# Altium PCB OSA_V100.PcbDoc (part 3 of 5) (continued)
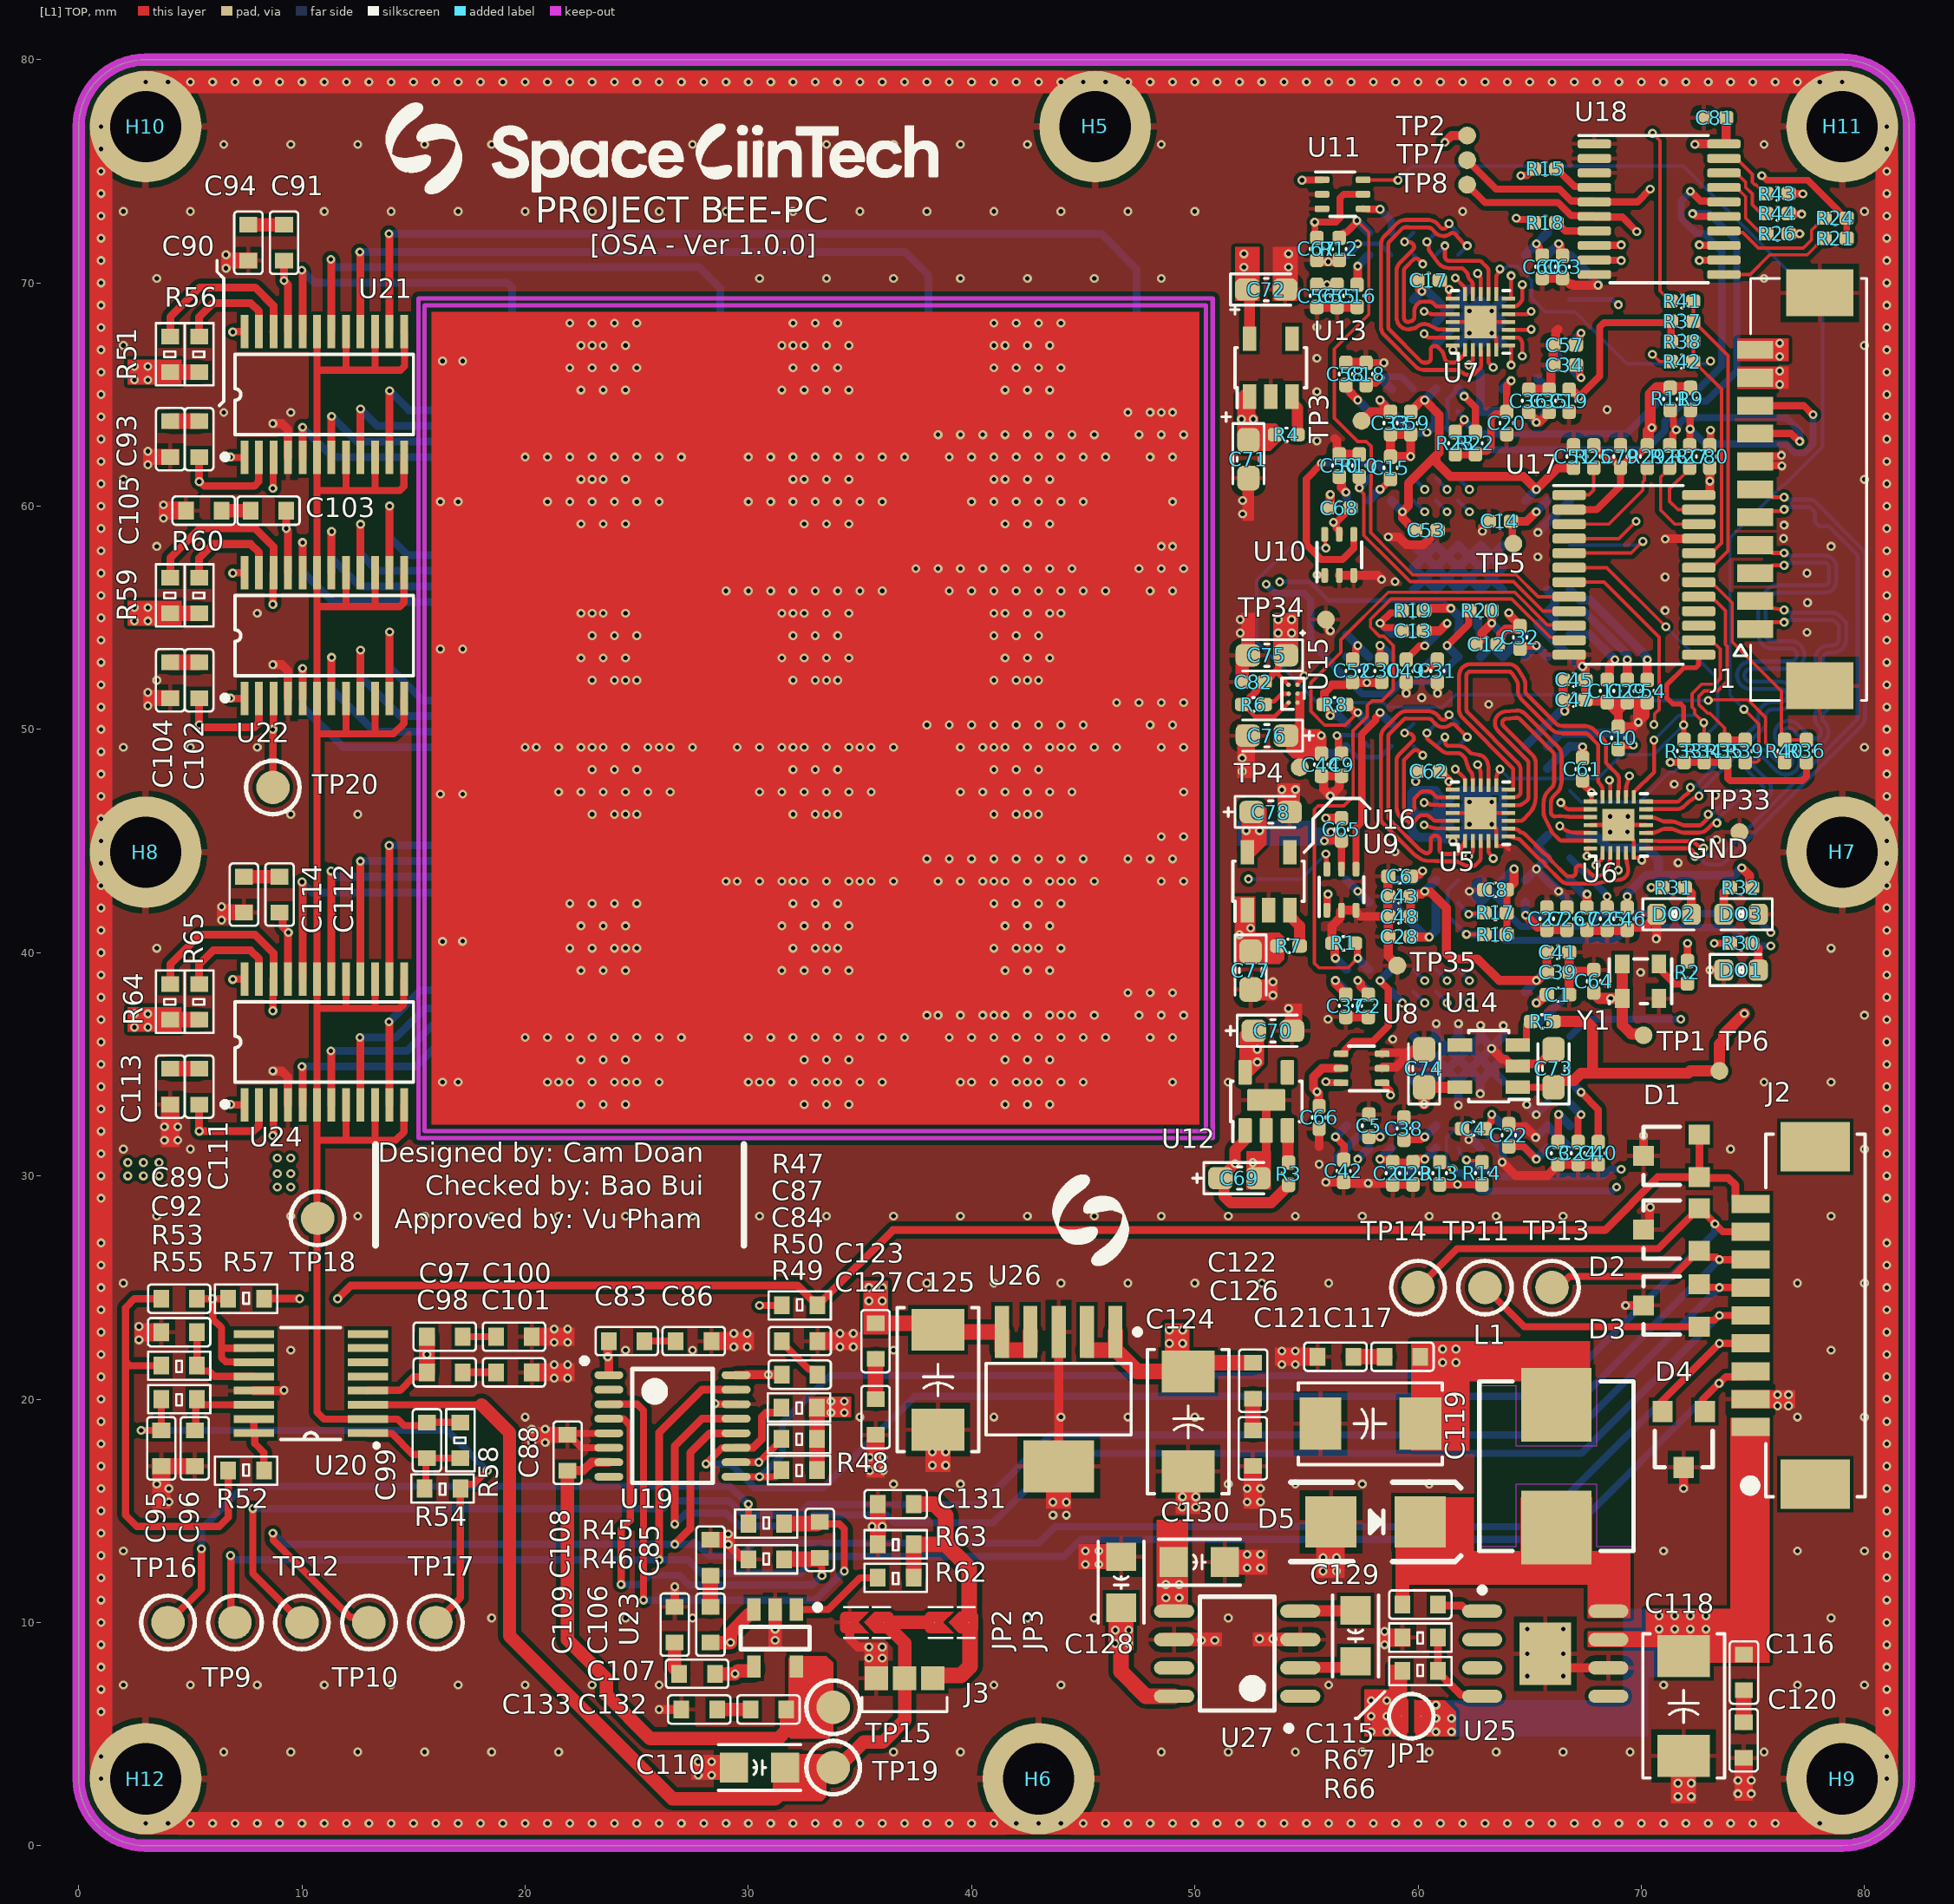
[diagram p0: [L1] TOP view]
## Nets (pads, with @x,y where several pads share a name; then routed paths per layer and width w, separated by ;. In a path a pad name is that pad's centre, name@x,y a point inside that pad or via, vN(x,y) a via of type N, cw(c..) or ccw(c..) an arc to the next point about the centre after c; other vN are vias at no path point) (continued)
I2C_SW_SCL: R44.1 U18.18 | length 3.2
  [L1] TOP w0.15: U18.18@73.7,74.925 74.26,74.925 74.675,74.51 74.675,74.284 74.975,73.984 74.975,73.5 75.575,72.9 R44.1@75.6,72.9
I2C_SW_SDA: R43.1 U18.19 | length 2.8
  [L1] TOP w0.15: U18.19@73.7,75.575 74.26,75.575 74.975,74.86 74.975,74.5 75.084,74.391 75.144,74.391 75.6,73.934 R43.1@75.6,73.9
IO_SW_SCL: R28.1 U17.22 | length 4
  [L1] TOP w0.15: R28.1@71.27,61.695 70.87,61.295 70.87,59.82 71.495,59.195 U17.22@72.57,59.195
IO_SW_SDA: R27.1 U17.23 | length 3.3
  [L1] TOP w0.15: R27.1@72.17,61.695 72.17,61.67 71.27,60.77 71.27,60.22 71.645,59.845 U17.23@72.57,59.845
MISO_PD: D3.1 J2.5 TP11.1 U19.13 | length 71
  [L1] TOP w0.32: TP11.1@63,25 64.75,23.25 D3.1@72.6,23.25 ; D3.1@72.625,23.25 72.915,23.54 73.268,23.54 73.478,23.75 J2.5@74.895,23.75
  [L1] TOP w0.35: v1(26.7,14.4) 26.7,17.9 27.925,19.125 U19.13@29.45,19.125
  [L6] BOTTOM w0.32: v1(26.7,14.4) 27.2,14.9 29.014,14.9 29.594,14.32 32.429,14.32 32.919,14.81 36.211,14.81 36.554,14.467 40.967,14.467 44.075,17.575 67.325,17.575 v1(73.5,23.75)
MOSI_PD: D4.3 J2.4 TP10.1 U19.12 U24.3 | length 107.1
  [L1] TOP w0.32: v1(8.7,14) 8.711,13.989 8.711,13.689 12.174,10.226 12.774,10.226 TP10.1@13,10 ; v1@8.725,31.8 U24.3@8.725,33.181 ; D4.3@70.95,19.45 70.85,19.55 70.85,19.85 v1(73.5,22.5) J2.4@74.895,22.5
  [L1] TOP w0.35: v1(26.7,13.5) 27.4,14.2 27.4,17.6 28.275,18.475 U19.12@29.45,18.475
  [L3] SIGNAL w0.32: v1(8.7,14) 8.31,14.39 8.31,31.41 v1(8.7,31.8)
  [L6] BOTTOM w0.32: v1@8.715,13.985 9.2,13.5 v1(26.7,13.5) 27.725,13.5 28.235,12.99 29.676,12.99 30.236,13.55 43,13.55 43.74,14.29 65.29,14.29 73.474,22.474 v1@73.496,22.474
NetC83_1: C83.1 C86.2 | length 1.4
  [L1] TOP w0.32: C83.1@25.35,22.6 C86.2@26.75,22.6
NetC84_1: C84.1 C87.2 | length 2.3
  [L1] TOP w0.32: C87.2@31.5,22.6 31.5,22.55 32.71,21.34 32.91,21.34 33.1,21.15 C84.1@33.1,21.1
NetC85_1: C85.1 R46.1 U19.4 | length 20.4
  [L1] TOP w0.32: U19.4@23.75,19.125 23.756,19.119 24.403,19.119 24.71,18.813 24.71,14.575 24.3,14.165 v1(24.3,11.7) ; C85.1@33.2,12.9 33.285,12.815 33.285,12.115 v1(33.3,12.1)
  [L1] TOP w0.7: R46.1@31.6,12.825 33.075,12.825 33.15,12.9 C85.1@33.2,12.9
  [L6] BOTTOM w0.32: v1(24.3,11.7) 25.162,11.7 25.572,12.11 26.911,12.11 27.346,11.675 32.853,11.675 33.278,12.1 v1(33.3,12.1)
NetC85_2: C85.2 R45.1 U19.3 | length 24.5
  [L1] TOP w0.32: U19.3@23.75,19.775 25.025,19.775 25.3,19.5 v1(25.3,11) ; C85.2@33.2,14.5 33.285,14.415 34.085,14.415 34.3,14.2 v1(34.3,12.3)
  [L1] TOP w0.7: R45.1@31.6,14.425 33.075,14.425 33.15,14.5 C85.2@33.2,14.5
  [L6] BOTTOM w0.32: v1(25.3,11) 33,11 v1(34.3,12.3)
NetC89_2: C89.2 R52.2 R53.1 | length 19.8
  [L1] TOP w0.32: R53.1@3.7,21.5 2.287,21.5 2.1,21.687 ; C89.2@3.7,24.5 2.5,24.5 2.1,24.1 2.1,21.687 ; R52.2@6.7,16.8 6.7,14.7 6.3,14.3 2.6,14.3 2.1,14.8 2.1,21.687
NetC90_1: C90.1 C93.2 | length 2.6
  [L1] TOP w0.32: C93.2@4.1,63.8 C90.1@5.4,63.8
  [L1] TOP w0.7: C93.2@4.1,63.8 C90.1@5.4,63.8
NetC91_1: C91.1 C94.2 | length 1.6
  [L1] TOP w0.6: C94.2@7.6,72.6 C91.1@9.2,72.6
NetC92_2: C92.2 R53.2 U20.12 | length 4.3
  [L1] TOP w0.32: C92.2@5.3,23 R53.2@5.3,21.5 5.3,21.45 5.49,21.26 5.84,21.26 6.083,21.017 U20.12@7.847,21.017
NetC95_2: C95.2 R54.2 R55.1 TP17.1 | length 26.5
  [L1] TOP w0.32: v1(2.8,18.6) C95.2@3.7,18.6 R55.1@3.7,20 ; TP17.1@16,10 17.1,11.1 R54.2@17.1,16 ; R54.2@17.1,16.004 17.29,16.194 17.694,16.194 v1(18.3,16.8)
  [L6] BOTTOM w0.32: v1(2.8,18.6) 16.5,18.6 v1(18.3,16.8)
NetC96_2: C96.2 R55.2 U20.14 | length 4.1
  [L1] TOP w0.32: C96.2@5.2,18.6 5.25,18.65 5.25,19.95 R55.2@5.3,20 5.3,19.95 5.49,19.76 5.665,19.76 5.677,19.747 U20.14@7.847,19.747
NetC97_1: C97.1 C100.2 | length 1.5
  [L1] TOP w0.32: C97.1@17.2,22.8 C100.2@18.7,22.8
NetC98_1: C98.1 C101.2 | length 1.5
  [L1] TOP w0.35: C98.1@17.2,21.2 C101.2@18.7,21.2
NetC99_2: C99.2 R54.1 R58.2 U20.1 | length 6
  [L1] TOP w0.32: U20.1@12.953,18.477 12.968,18.462 14.038,18.462 14.977,17.523 15.434,17.523 C99.2@15.6,17.357 ; R54.1@15.5,16 15.55,16.05 15.55,17.307 C99.2@15.6,17.357 ; R58.2@17.1,17.357 C99.2@15.6,17.357
NetC102_1: C102.1 C104.2 | length 2.6
  [L1] TOP w0.32: C104.2@4.1,53 C102.1@5.4,53
  [L1] TOP w0.7: C104.2@4.1,53 C102.1@5.4,53
NetC103_1: C103.1 C105.2 | length 1.3
  [L1] TOP w0.6: C105.2@6.4,59.8 C103.1@7.7,59.8
NetC106_1: C106.1 C108.2 | length 1.4
  [L1] TOP w0.7: C106.1@28.3,10.7 C108.2@28.3,12.1
NetC107_1: C107.1 C109.2 | length 1.5
  [L1] TOP w0.6: C109.2@26.7,9.1 26.7,7.95 26.9,7.75 C107.1@26.9,7.7
NetC111_1: C111.1 C113.2 | length 2.6
  [L1] TOP w0.32: C113.2@4.1,34.8 C111.1@5.4,34.8
  [L1] TOP w0.7: C113.2@4.1,34.8 C111.1@5.4,34.8
NetC112_1: C112.1 C114.2 | length 1.6
  [L1] TOP w0.6: C114.2@7.4,43.4 7.872,43.4 C112.1@9,43.4
NetC115_1: C115.1 D5.2 L1.1 U25.8
NetC115_2: C115.2 U25.1 | length 2.1
  [L1] TOP w0.35: C115.2@60.9,10.8 60.95,10.75 61.962,10.75 62.207,10.505 U25.1@62.875,10.505
NetC116_1: C116.1 C120.2 | length 1.4
  [L1] TOP w0.7: C120.2@74.587,5.528 C116.1@74.587,6.945
NetC117_1: C117.1 C121.2 | length 1.4
  [L1] TOP w0.7: C121.2@57.1,21.9 C117.1@58.5,21.9
NetC122_1: C122.1 C126.2 | length 1.4
  [L1] TOP w0.7: C126.2@52.6,18.6 52.6,20.028 C122.1@52.614,20.028
NetC123_1: C123.1 C127.2 | length 1.8
  [L1] TOP w0.7: C127.2@35.7,20 C123.1@35.7,21.8
NetC129_1: C129.1 U27.2 | length 2.6
  [L1] TOP w0.5: U27.2@54.725,7.965 54.744,7.984 56.927,7.984 C129.1@57.2,8.257
NetC129_2: C129.2 U27.4 | length 2.5
  [L1] TOP w0.5: U27.4@54.725,10.505 54.744,10.524 57.181,10.524 C129.2@57.2,10.543
NetC131_2: C131.2 J3.3 JP3.1 R62.2 R63.2 | length 13.7
  [L1] TOP w0.7: R62.2@37.4,12 37.4,13.45 R63.2@37.4,13.5 38.85,13.5 ; C131.2@37.4,15.3 38.34,15.3 38.85,14.79 38.85,13.5 ; J3.3@38.27,7.5 38.39,7.62 39.528,7.62 39.938,8.03 39.938,10.063 ; 39.9,10.025 39.9,12.45 38.85,13.5
NetC132_1: C132.1 C133.2 | length 1.5
  [L1] TOP w0.6: C133.2@28.6,6.1 C132.1@30.1,6.1
NetDO1_2: DO1.2 R30.2 | length 1.3
  [L1] TOP w0.4: R30.2@74.995,40.42 75.02,40.42 75.12,40.32 75.12,40.295 75.245,40.17 DO1.2@75.245,39.22
NetDO2_2: DO2.2 R31.2 | length 1.3
  [L1] TOP w0.4: R31.2@71.97,42.92 71.995,42.92 72.245,42.67 DO2.2@72.245,41.72
NetDO3_2: DO3.2 R32.2 | length 1.3
  [L1] TOP w0.4: DO3.2@73.695,41.72 73.695,42.695 73.92,42.92 R32.2@73.945,42.92
NetPD1_2: PD1.2 U24.11 | length 45
  [L1] TOP w0.35: v1(13.9,36.9) 13.9,36.886 13.925,36.861 U24.11@13.925,33.181
  [L6] BOTTOM w0.35: v1(13.9,36.9) 15.325,38.325 45.375,38.325 47.4,36.3 PD1.2@47.4,34
  [L6] BOTTOM w0.4: PD1.2@47.69,34.9 PD1.2@47.79,35
  [L6] BOTTOM w0.5: PD1.2@47.49,33 PD1.2@49.61,33 ; PD1.2@47.79,35 PD1.2@49.61,35
NetPD2_2: PD2.2 U24.14 | length 46.8
  [L1] TOP w0.35: v1(13.908,44.8) 13.908,44.786 13.925,44.769 U24.14@13.925,38.819
  [L6] BOTTOM w0.35: v1(13.908,44.8) 45.4,44.8 47.4,42.8 PD2.2@47.4,40.5
  [L6] BOTTOM w0.4: PD2.2@47.69,41.4 47.79,41.5 PD2.2@47.69,41.4
  [L6] BOTTOM w0.5: PD2.2@47.49,39.5 PD2.2@49.61,39.5 ; PD2.2@47.79,41.5 PD2.2@49.61,41.5
NetPD3_2: PD3.2 U22.11 | length 45.9
  [L1] TOP w0.35: U22.11@13.925,51.381 13.925,54.361 v1(13.932,54.368)
  [L6] BOTTOM w0.35: v1(13.932,54.368) 13.932,52.774 15.406,51.3 16.051,51.3 45.4,51.3 47.4,49.3 PD3.2@47.4,47
  [L6] BOTTOM w0.4: PD3.2@47.69,47.9 PD3.2@47.79,48
  [L6] BOTTOM w0.5: PD3.2@47.49,46 PD3.2@49.61,46 ; PD3.2@47.79,48 PD3.2@49.61,48
NetPD4_2: PD4.2 U22.14 | length 45.4
  [L1] TOP w0.35: U22.14@13.925,57.019 13.925,60 v1(13.932,60.007)
  [L6] BOTTOM w0.35: v1(13.932,60.007) 13.932,58.618 14.75,57.8 45.4,57.8 47.4,55.8 PD4.2@47.4,53.5
  [L6] BOTTOM w0.4: PD4.2@47.69,54.4 PD4.2@47.79,54.5
  [L6] BOTTOM w0.5: PD4.2@47.49,52.5 PD4.2@49.61,52.5 ; PD4.2@47.79,54.5 PD4.2@49.61,54.5
NetPD5_2: PD5.2 U21.11 | length 44
  [L1] TOP w0.35: U21.11@13.925,62.181 13.925,65.161 v1(13.932,65.168)
  [L6] BOTTOM w0.35: v1(13.932,65.168) 14.8,64.3 45.4,64.3 47.4,62.3 PD5.2@47.4,60
  [L6] BOTTOM w0.4: PD5.2@47.69,60.9 PD5.2@47.79,61
  [L6] BOTTOM w0.5: PD5.2@47.49,59 PD5.2@49.61,59 ; PD5.2@47.79,61 PD5.2@49.61,61
NetPD6_2: PD6.2 U21.14 | length 46.7
  [L1] TOP w0.35: v1(13.9,72.2) 13.9,72.186 13.925,72.161 U21.14@13.925,67.819
  [L6] BOTTOM w0.35: v1(13.9,72.2) 45.8,72.2 47.4,70.6 PD6.2@47.4,66.5
  [L6] BOTTOM w0.4: PD6.2@47.69,67.4 PD6.2@47.79,67.5
  [L6] BOTTOM w0.5: PD6.2@47.49,65.5 PD6.2@49.61,65.5 ; PD6.2@47.79,67.5 PD6.2@49.61,67.5
NetPD7_2: PD7.2 U24.9 | length 35.8
  [L1] TOP w0.35: v1(12.6,36.2) 12.6,36.186 12.625,36.161 U24.9@12.625,33.181
  [L6] BOTTOM w0.35: v1(12.6,36.2) 14.2,36.2 15.5,37.5 36.644,37.5 38.07,36.074 PD7.2@38.07,34
  [L6] BOTTOM w0.4: PD7.2@38.36,34.9 PD7.2@38.46,35
  [L6] BOTTOM w0.5: PD7.2@38.16,33 PD7.2@40.28,33 ; PD7.2@38.46,35 PD7.2@40.28,35
NetPD8_2: PD8.2 U24.16 | length 37.5
  [L1] TOP w0.35: v1(12.619,44.095) 12.625,44.089 U24.16@12.625,38.819
  [L6] BOTTOM w0.35: v1(12.619,44.095) 12.624,44.1 36.544,44.1 38.07,42.574 PD8.2@38.07,40.5
  [L6] BOTTOM w0.4: PD8.2@38.36,41.4 PD8.2@38.46,41.5
  [L6] BOTTOM w0.5: PD8.2@38.16,39.5 PD8.2@40.28,39.5 ; PD8.2@38.46,41.5 PD8.2@40.28,41.5
NetPD9_2: PD9.2 U22.9 | length 36.3
  [L1] TOP w0.35: U22.9@12.625,51.381 v1@12.625,53.549
  [L6] BOTTOM w0.35: 12.625,52.824 12.625,52.375 14.4,50.6 36.544,50.6 38.07,49.074 PD9.2@38.07,47 ; 12.626,52.825 v1(12.626,53.55)
  [L6] BOTTOM w0.4: PD9.2@38.36,47.9 PD9.2@38.46,48
  [L6] BOTTOM w0.5: PD9.2@38.16,46 PD9.2@40.28,46 ; PD9.2@38.46,48 PD9.2@40.28,48
NetPD10_2: PD10.2 U22.16 | length 36
  [L1] TOP w0.35: U22.16@12.625,57.019 v1@12.625,59.188
  [L6] BOTTOM w0.35: v1(12.626,59.188) 12.626,57.867 13.393,57.1 36.544,57.1 38.07,55.574 PD10.2@38.07,53.5
  [L6] BOTTOM w0.4: PD10.2@38.36,54.4 PD10.2@38.46,54.5
  [L6] BOTTOM w0.5: PD10.2@38.16,52.5 PD10.2@40.28,52.5 ; PD10.2@38.46,54.5 PD10.2@40.28,54.5
NetPD11_2: PD11.2 U21.9 | length 34.6
  [L1] TOP w0.35: U21.9@12.625,62.181 v1@12.625,64.349
  [L6] BOTTOM w0.35: v1(12.626,64.35) 13.375,63.6 36.544,63.6 38.07,62.074 PD11.2@38.07,60
  [L6] BOTTOM w0.5: PD11.2@38.16,59 PD11.2@40.28,59 ; PD11.2@38.46,61 PD11.2@40.28,61
NetPD12_2: PD12.2 U21.16 | length 37.4
  [L1] TOP w0.35: v1(12.594,71.382) 12.594,71.368 12.625,71.337 U21.16@12.625,67.819
  [L6] BOTTOM w0.35: v1(12.594,71.382) 37.018,71.382 38.07,70.33 PD12.2@38.07,66.5
  [L6] BOTTOM w0.4: PD12.2@38.36,67.4 PD12.2@38.46,67.5
  [L6] BOTTOM w0.5: PD12.2@38.16,65.5 PD12.2@40.28,65.5 ; PD12.2@38.46,67.5 PD12.2@40.28,67.5
NetPD13_2: PD13.2 U24.7 | length 26.8
  [L1] TOP w0.35: v1(11.3,35.6) 11.3,35.586 11.325,35.561 U24.7@11.325,33.181
  [L6] BOTTOM w0.35: v1(11.3,35.6) 14.7,35.6 15.875,36.775 28.039,36.775 28.74,36.074 PD13.2@28.74,34
  [L6] BOTTOM w0.4: PD13.2@29.03,34.9 PD13.2@29.13,35
  [L6] BOTTOM w0.5: PD13.2@28.83,33 PD13.2@30.95,33 ; PD13.2@29.13,35 PD13.2@30.95,35
NetPD14_2: PD14.2 U24.18 | length 28.9
  [L1] TOP w0.35: v1(11.306,43.656) 11.306,43.643 11.325,43.624 U24.18@11.325,38.819
  [L6] BOTTOM w0.35: v1@11.316,43.647 11.563,43.4 27.914,43.4 28.74,42.574 PD14.2@28.74,40.5
  [L6] BOTTOM w0.4: PD14.2@29.03,41.4 PD14.2@29.13,41.5
  [L6] BOTTOM w0.5: PD14.2@28.83,39.5 PD14.2@30.95,39.5 ; PD14.2@29.13,41.5 PD14.2@30.95,41.5
NetPD15_2: PD15.2 U22.7 | length 28
  [L1] TOP w0.35: U22.7@11.325,51.381 11.325,53.219 v1(11.33,53.224)
  [L6] BOTTOM w0.35: v1(11.33,53.224) 11.33,51.81 13.24,49.9 27.914,49.9 28.74,49.074 PD15.2@28.74,47
  [L6] BOTTOM w0.4: PD15.2@29.03,47.9 PD15.2@29.13,48
  [L6] BOTTOM w0.5: PD15.2@28.83,46 PD15.2@30.95,46 ; PD15.2@29.13,48 PD15.2@30.95,48
NetPD16_2: PD16.2 U22.18 | length 27.5
  [L1] TOP w0.35: U22.18@11.325,57.019 11.325,58.858 v1(11.33,58.863)
  [L6] BOTTOM w0.35: v1(11.33,58.863) 11.33,57.686 12.616,56.4 27.914,56.4 28.74,55.574 PD16.2@28.74,53.5
  [L6] BOTTOM w0.4: PD16.2@29.03,54.4 PD16.2@29.13,54.5
  [L6] BOTTOM w0.5: PD16.2@28.83,52.5 PD16.2@30.95,52.5 ; PD16.2@29.13,54.5 PD16.2@30.95,54.5
NetPD17_2: PD17.2 U21.7 | length 26.1
  [L1] TOP w0.35: U21.7@11.325,62.181 11.325,64.019 v1(11.33,64.024)
  [L6] BOTTOM w0.35: v1(11.33,64.024) 12.454,62.9 27.914,62.9 28.74,62.074 PD17.2@28.74,60
  [L6] BOTTOM w0.5: PD17.2@28.83,59 PD17.2@30.95,59 ; PD17.2@29.13,61 PD17.2@30.95,61
NetPD18_2: PD18.2 U21.18 | length 28.6
  [L1] TOP w0.35: v1(11.298,71.056) 11.298,71.043 11.325,71.016 U21.18@11.325,67.819
  [L6] BOTTOM w0.35: v1(11.298,71.056) 11.308,71.047 11.308,70.92 11.528,70.7 27.8,70.7 28.74,69.76 PD18.2@28.74,66.5
  [L6] BOTTOM w0.4: PD18.2@29.03,67.4 PD18.2@29.13,67.5
  [L6] BOTTOM w0.5: PD18.2@28.83,65.5 PD18.2@30.95,65.5 ; PD18.2@29.13,67.5 PD18.2@30.95,67.5
NetPD19_2: PD19.2 U24.5 | length 17.8
  [L1] TOP w0.35: v1(10,34.9) 10,34.886 10.025,34.861 U24.5@10.025,33.181
  [L6] BOTTOM w0.35: v1(10,34.9) 15.1,34.9 16.4,36.2 19.2,36.2 19.41,35.99 PD19.2@19.41,34
  [L6] BOTTOM w0.4: PD19.2@19.7,34.9 PD19.2@19.8,35
  [L6] BOTTOM w0.5: PD19.2@19.5,33 PD19.2@21.62,33 ; PD19.2@19.8,35 PD19.2@21.62,35
NetPD20_2: PD20.2 U24.20 | length 20.1
  [L1] TOP w0.35: v1(10.005,43.166) 10.005,43.153 10.025,43.132 U24.20@10.025,38.819
  [L6] BOTTOM w0.35: v1@10.014,43.157 10.471,42.7 19.2,42.7 19.41,42.49 PD20.2@19.41,40.5
  [L6] BOTTOM w0.4: PD20.2@19.7,41.4 PD20.2@19.8,41.5
  [L6] BOTTOM w0.5: PD20.2@19.5,39.5 PD20.2@21.62,39.5 ; PD20.2@19.8,41.5 PD20.2@21.62,41.5
NetPD21_2: PD21.2 U22.5 | length 19.4
  [L1] TOP w0.35: U22.5@10.025,51.381 10.025,52.731 v1(10.028,52.734)
  [L6] BOTTOM w0.35: v1(10.028,52.734) 10.028,51.018 11.846,49.2 19.2,49.2 19.41,48.99 PD21.2@19.41,47
  [L6] BOTTOM w0.4: PD21.2@19.7,47.9 PD21.2@19.8,48
  [L6] BOTTOM w0.5: PD21.2@19.5,46 PD21.2@21.62,46 ; PD21.2@19.8,48 PD21.2@21.62,48
NetPD22_2: PD22.2 U22.20 | length 18.8
  [L1] TOP w0.35: U22.20@10.025,57.019 10.025,58.37 v1(10.028,58.373)
  [L6] BOTTOM w0.35: v1(10.028,58.373) 10.028,57.072 11.4,55.7 19.2,55.7 19.41,55.49 PD22.2@19.41,53.5
  [L6] BOTTOM w0.4: PD22.2@19.7,54.4 PD22.2@19.8,54.5
  [L6] BOTTOM w0.5: PD22.2@19.5,52.5 PD22.2@21.62,52.5 ; PD22.2@19.8,54.5 PD22.2@21.62,54.5
NetPD23_2: PD23.2 U21.5 | length 17.4
  [L1] TOP w0.35: U21.5@10.025,62.181 10.025,63.531 v1(10.028,63.534)
  [L6] BOTTOM w0.35: v1(10.028,63.534) 11.363,62.2 19.2,62.2 19.41,61.99 PD23.2@19.41,60
  [L6] BOTTOM w0.4: PD23.2@19.7,60.9 PD23.2@19.8,61
  [L6] BOTTOM w0.5: PD23.2@19.5,59 PD23.2@21.62,59 ; PD23.2@19.8,61 PD23.2@21.62,61
NetPD24_2: PD24.2 U21.20 | length 19.9
  [L1] TOP w0.35: v1(9.997,70.566) 9.997,70.553 10.025,70.525 U21.20@10.025,67.819
  [L6] BOTTOM w0.35: v1(9.997,70.566) 10.563,70 19.205,70 19.41,69.795 PD24.2@19.41,66.5
  [L6] BOTTOM w0.4: PD24.2@19.7,67.4 PD24.2@19.8,67.5
  [L6] BOTTOM w0.5: PD24.2@19.5,65.5 PD24.2@21.62,65.5 ; PD24.2@19.8,67.5 PD24.2@21.62,67.5
NetR2_1: R2.1 U8.1 U9.1 U10.1 U11.1 | length 66.2
  [L1] TOP w0.32: v1(54.8,74.6) 54.81,74.61 55.69,74.61 U11.1@55.7,74.62 ; v1(55.47,56.92) 55.48,56.91 55.81,56.91 U10.1@55.82,56.9 ; U9.1@55.92,41.9 55.93,41.91 55.93,42.558 55.97,42.598 v1(55.97,42.62) ; U8.1@58.39,34.17 58.55,34.17 58.56,34.16 58.56,34 58.755,33.805 58.755,33.635 v1(58.77,33.62) ; R2.1@72.07,39.645 v1(72.07,40.42)
  [L3] SIGNAL w0.32: v1(54.8,74.6) 56.483,72.917 56.483,70.184 56.43,70.131 56.43,69.709 56.37,69.649 56.37,61.77 55.8,61.2 55.787,61.2 55,60.413 55,57.412 55.47,56.942 v1(55.47,56.92) 55.47,54.299 55.859,53.91 56.283,53.91 56.58,53.613 56.58,50.41 57.07,49.92 57.07,48.92 55.29,47.14 55.29,43.3 v1(55.97,42.62) 55.2,41.85 55.2,36.8 57.981,34.019 58.349,34.019 58.748,33.62 59.82,33.62 60.6,34.4 66.05,34.4 v1(72.07,40.42)
NetR2_2: R2.2 Y1.3 | length 1.8
  [L1] TOP w0.32: Y1.3@70.67,39.42 70.77,39.42 70.96,39.23 70.96,39.13 71.495,38.595 R2.2@72.07,38.595
NetR3_1: R3.1 U12.3 | length 1.5
  [L1] TOP w0.5: U12.3@54.15,32.038 54.175,32.013 54.175,30.625 R3.1@54.2,30.6
NetR4_1: R4.1 U13.3 | length 1.8
  [L1] TOP w0.5: U13.3@54.35,64.9 54.35,64.65 54.6,64.4 R4.1@54.6,63.2
NetR5_1: R5.1 U14.3 | length 1.4
  [L1] TOP w0.32: U14.3@64.47,35.87 64.72,35.87 64.86,36.01 64.86,36.76 65.02,36.92 R5.1@65.045,36.92
NetR6_1: R6.1 U15.B2 | length 1.3
  [L1] TOP w0.2: R6.1@53.13,51.12 53.266,51.256 53.556,51.256 53.9,51.6 U15.B2@54.2,51.6
NetR7_1: R7.1 U16.3 | length 1.8
  [L1] TOP w0.5: U16.3@54.25,41.9 54.25,41.65 54.7,41.2 R7.1@54.7,40.3
NetR25_2: R25.2 U17.1 | length 2.2
  [L1] TOP w0.15: U17.1@66.77,60.495 66.97,60.495 66.982,60.507 67.657,60.507 67.87,60.72 R25.2@67.87,61.695
NetR29_2: R29.2 U17.3 | length 5
  [L1] TOP w0.15: U17.3@66.77,59.195 66.97,59.195 68.545,59.195 70.07,60.72 70.07,61.095 70.145,61.17 70.145,61.595 R29.2@70.27,61.72
NetR52_1: R52.1 U20.15 U20.16 | length 2.5
  [L1] TOP w0.32: U20.15@7.847,19.112 U20.16@7.847,18.477 7.875,18.477 7.89,18.462 7.89,18.01 8.3,17.6 R52.1@8.3,16.8
NetR56_1: R56.1 U21.23 | length 4.9
  [L1] TOP w0.35: R56.1@5.4,67.6 5.4,68.476 6.024,69.1 7.7,69.1 8.075,68.725 U21.23@8.075,67.819
NetR60_1: R60.1 U22.23 | length 4.9
  [L1] TOP w0.35: R60.1@5.4,56.8 5.4,57.676 6.024,58.3 7.7,58.3 8.075,57.925 U22.23@8.075,57.019
NetR62_1: R62.1 U23.1 | length 4.2
  [L1] TOP w0.32: U23.1@32.15,10.575 33.575,10.575 35,12 R62.1@35.8,12
NetR65_1: R65.1 U24.23 | length 4.9
  [L1] TOP w0.35: R65.1@5.4,38.6 5.4,39.476 6.024,40.1 7.7,40.1 8.075,39.725 U24.23@8.075,38.819
NetR66_1: R66.1 R67.2 U25.4 | length 3.9
  [L1] TOP w0.35: R66.1@60.9,7.773 61.93,6.743 62.827,6.743 U25.4@62.875,6.695 ; R66.1@60.9,7.823 R67.2@60.9,9.323
nINT: R26.2 U18.17 | length 3.4
  [L1] TOP w0.15: U18.17@73.7,74.275 74.26,74.275 74.675,73.86 74.675,72.9 75.575,72 R26.2@75.6,72
nINT0: R15.2 U18.4 | length 2
  [L1] TOP w0.32: R15.2@66.2,75.1 66.225,75.1 67.01,74.315 67.86,74.315 U18.4@67.9,74.275
nINT1: R18.2 U18.7 | length 1.9
  [L1] TOP w0.32: R18.2@66.2,72.7 66.225,72.7 66.6,72.325 U18.7@67.9,72.325
nINT2: R21.2 U18.11 | length 5.2
  [L1] TOP w0.15: U18.11@73.7,70.375 74.875,70.375 75.757,71.257 77.432,71.257 78.175,72 R21.2@78.2,72
nINT3: R24.2 U18.14 | length 5.6
  [L1] TOP w0.15: U18.14@73.7,72.325 73.767,72.258 74.543,72.258 75.243,71.557 77.258,71.557 77.626,71.925 77.626,72.351 78.175,72.9 R24.2@78.2,72.9
PHOTODIODE: C99.1 R58.1 TP18.1 U20.2 U21.6 U21.8 U21.10 U21.12 U21.13 U21.15 U21.17 U21.19 U22.6 U22.8 U22.10 U22.12 U22.13 U22.15 U22.17 U22.19 U24.6 U24.8 U24.10 U24.12 U24.13 U24.15 U24.17 U24.19 | length 105.4
  [L1] TOP w0.32: U21.19@10.675,67.819 10.675,66.087 ; U24.8@11.975,33.181 11.975,31.612 11.987,31.6 ; U24.17@11.975,38.819 11.975,37.513 11.988,37.5 ; U22.8@11.975,51.381 11.975,49.875 11.9,49.8 ; U22.17@11.975,57.019 11.975,55.525 12,55.5 ; U21.8@11.975,62.181 11.975,60.737 11.938,60.7 ; 11.975,66.089 13.275,66.089 ; U21.17@11.975,67.819 11.975,66.087 10.675,66.087 ; U24.10@13.275,33.181 13.275,31.625 13.3,31.6 ; U24.15@13.275,38.819 13.275,37.525 13.3,37.5 ; U22.10@13.275,51.381 13.275,49.835 13.24,49.8 ; U22.15@13.275,57.019 13.275,55.581 13.194,55.5 ; U21.10@13.275,62.181 13.275,60.775 13.2,60.7 ; U21.15@13.275,67.819 13.275,66.089 ; U24.12@14.575,33.181 14.575,31.975 14.2,31.6 13.3,31.6 ; U24.13@14.575,38.819 14.56,38.804 14.56,37.687 14.373,37.5 13.3,37.5 ; U22.12@14.575,51.381 14.575,50.275 14.1,49.8 13.24,49.8 ; U22.13@14.575,57.019 14.575,55.687 14.388,55.5 13.194,55.5 ; U21.12@14.575,62.181 14.575,60.887 14.388,60.7 13.2,60.7 ; U21.13@14.575,67.819 14.59,67.804 14.59,66.792 14.6,66.782 14.6,66.276 14.413,66.089 13.275,66.089 ; R58.1@17.1,18.957 C99.1@15.6,18.957 15.455,18.813 14.587,18.813 14.288,19.112 10.988,19.112 10.675,19.425 10.675,28.075 TP18.1@10.7,28.1 10.675,28.125 10.675,31.6 ; 10.675,31.6 U24.6@10.675,33.181 10.675,37.5 ; 10.675,31.6 11.987,31.6 ; 10.675,37.5 11.988,37.5 ; 10.675,37.5 U24.19@10.675,38.819 10.675,49.8 ; 10.675,49.8 11.9,49.8 ; 10.675,49.8 U22.6@10.675,51.381 10.675,55.5 ; 10.675,55.5 12,55.5 ; 10.675,55.5 U22.19@10.675,57.019 10.675,60.7 ; 10.675,60.7 11.938,60.7 ; 10.675,60.7 U21.6@10.675,62.181 10.675,66.087 ; 11.9,49.8 13.24,49.8 ; 11.938,60.7 13.2,60.7 ; 11.987,31.6 13.3,31.6 ; 11.988,37.5 13.3,37.5 ; 12,55.5 13.194,55.5